# Altium PCB PCB1.PcbDoc
Units mil, origin at the board's own origin, x right, y up, seen from the top; angles counter-clockwise.
Board outline 7358.27 x 3470.47 mil, 2 copper layers (Top Layer, Bottom Layer); 121 components, 86 nets, 348 pads, 0 vias.
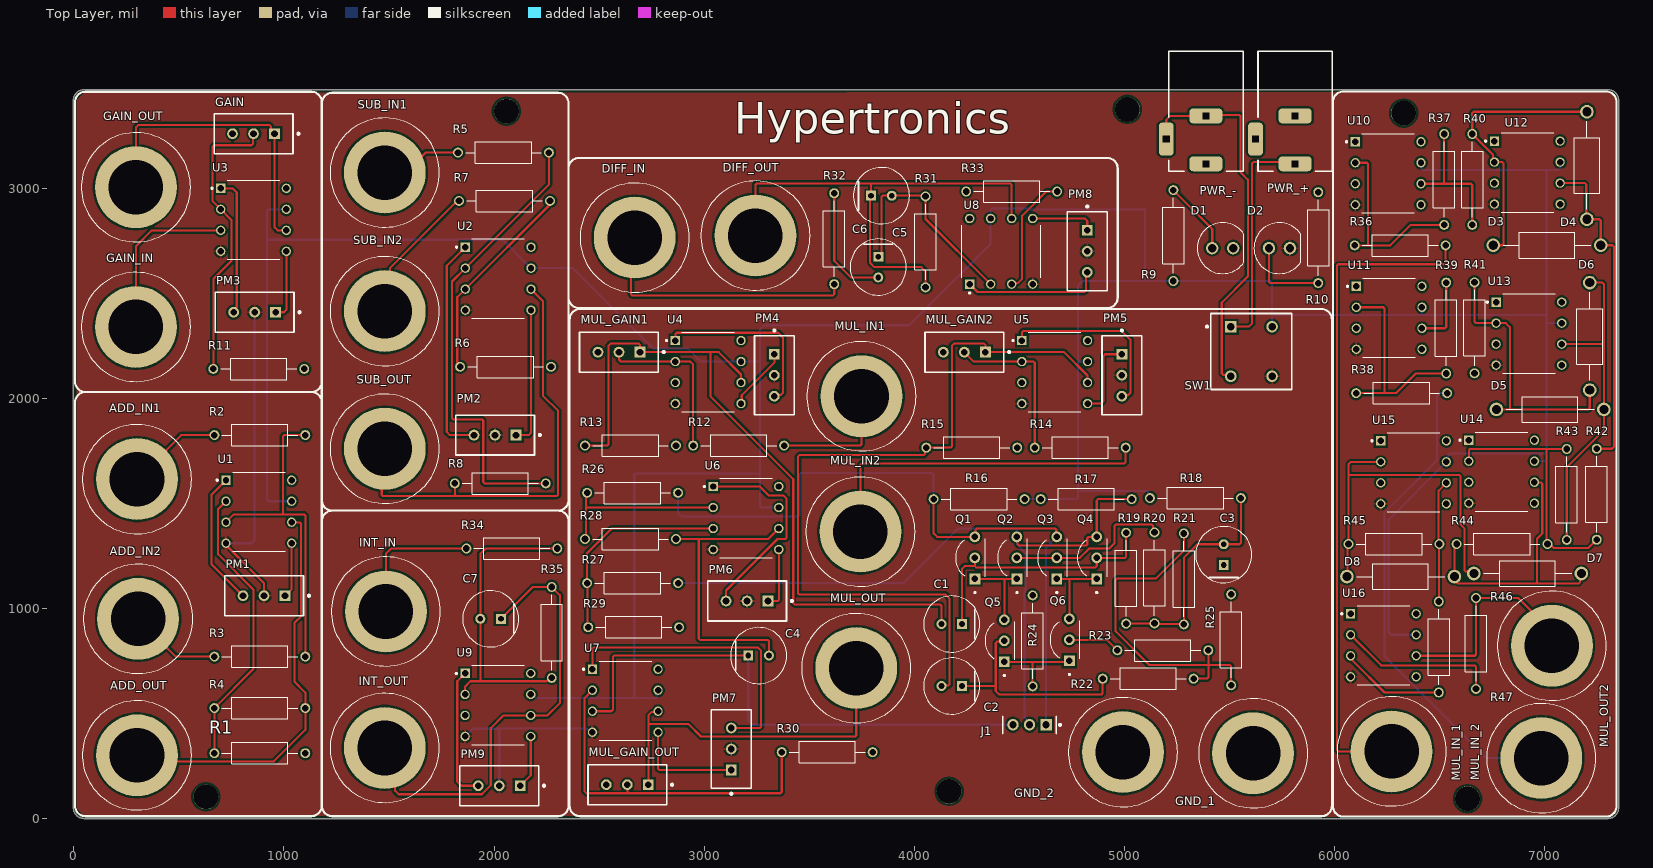
[diagram p0: Top Layer view]
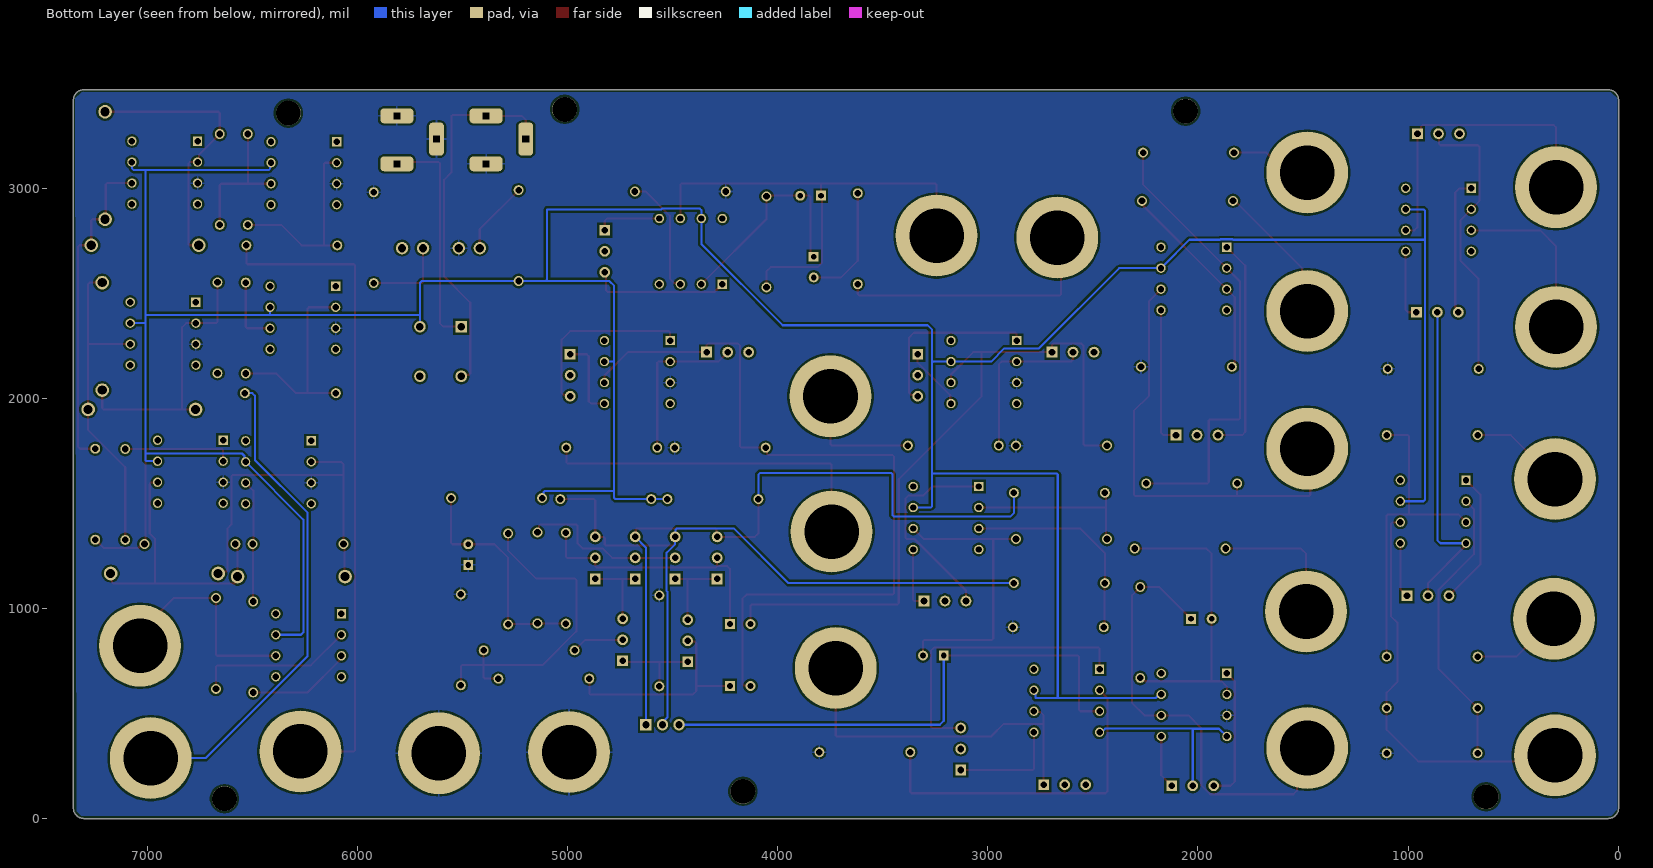
[diagram p1: Bottom Layer view, seen from below]
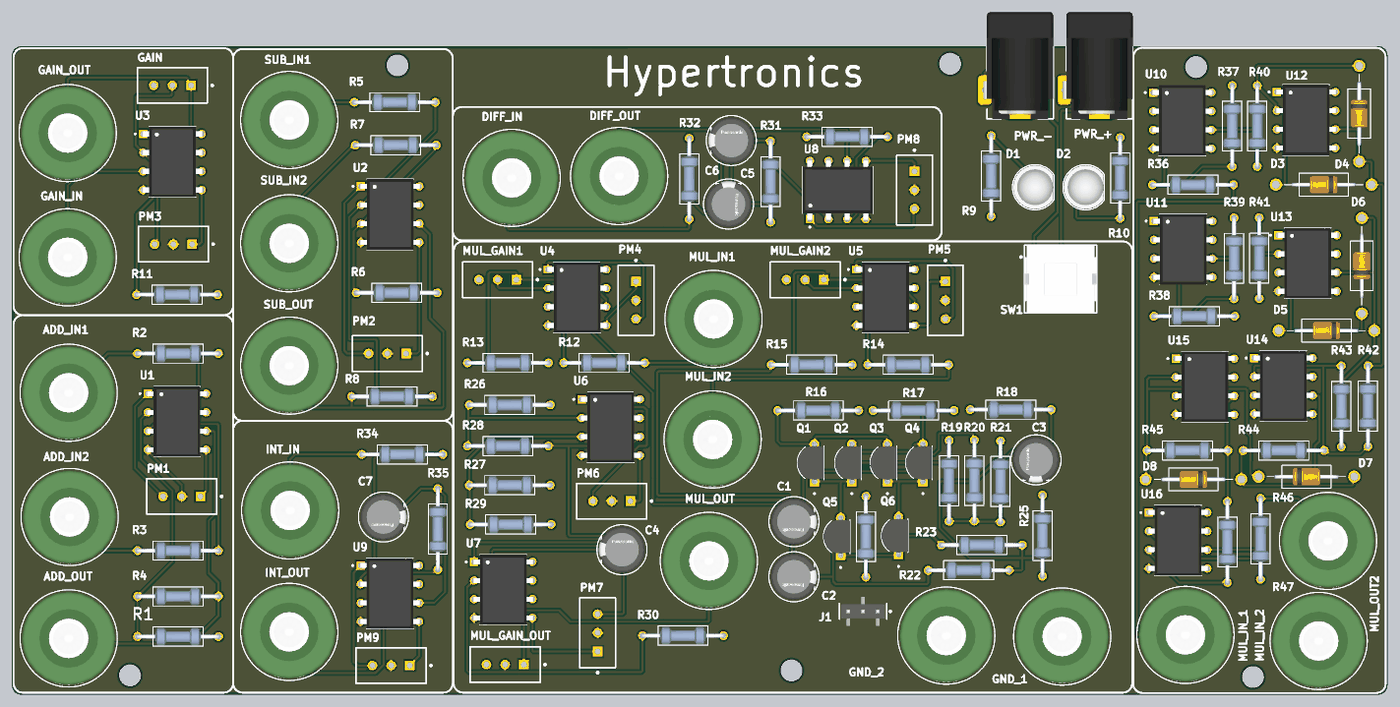
[diagram p2: 3D render of the assembled board from above, using the file's embedded part models]

## Layer stack, top to bottom
Top Solder: solder mask 0.4, Solder Resist, Dk 3.5
Top Layer: signal copper 1.4
Dielectric 1: dielectric 12.6, FR-4, Dk 4.8
Bottom Layer: signal copper 1.4
Bottom Solder: solder mask 0.4, Solder Resist, Dk 3.5

## Board outline
-2.95,49.02 -2.95,3419.49 cw(c47.05,3419.49) 47.05,3469.49 7305.32,3469.49 cw(c7305.32,3419.49) 7355.32,3419.49 7355.32,49.02 cw(c7305.32,49.02) 7305.32,-0.98 47.05,-0.98 cw(c47.05,49.02)

## Design rules (kind name [scope] priority, off if disabled: settings)
Clearance [All] p1: gap=10 ignorepadtopadclearanceinfootprint=FALSE ismatrix=TRUE
HoleSize MaxMinHoleSize_1 [All] p1: absolutevalues=TRUE maxlimit=275.59 minlimit=1 maxpercent=80.000 minpercent=20.000
HoleSize [All] p2: absolutevalues=TRUE maxlimit=100 minlimit=1 maxpercent=80.000 minpercent=20.000
PolygonConnect [All] p1: connectstyle=Relief reliefconductorwidth=10 reliefentries=4 polygonreliefangle="90 Angle" airgapwidth=10
RoutingVias [All] p1: holewidth=28 width=50 viastyle="Through Hole" minholewidth=28 minwidth=50 maxholewidth=28 maxwidth=50
SolderMaskExpansion [All] p1: expansion=4 istentingtop=FALSE
SupplyNets "Schematic Supply Nets_4" [InNet('Vin_10')] p1: voltage=0.000
SupplyNets "Schematic Supply Nets_3" [InNet('Vin_11')] p2: voltage=0.000
SupplyNets "Schematic Supply Nets_2" [InNet('+12')] p3: voltage=0.000
SupplyNets "Schematic Supply Nets_1" [InNet('GND')] p4: voltage=0.000
SupplyNets "Schematic Supply Nets" [InNet('-12')] p5: voltage=0.000
Width [All] p1: maxlimit=10 minlimit=10 preferedwidth=10
29 further rules are at their usual default settings.

## Classes and differential pairs
component class Multiply_2: D3 D4 D5 D6 D7 D8 MUL_IN_1 MUL_IN_2 MUL_OUT2 R36 R37 R38 R39 R40 R41 R42 R43 R44 R45 R46 R47 U10 U11 U12 U13 U14 U15 U16
component class Substractor: GND_2 PM2 R5 R6 R7 R8 SUB_IN1 SUB_IN2 SUB_OUT U2
component class Power_IN: D1 D2 PWR_+ PWR_- R9 R10 SW1
component class multiplier: C1 C2 C3 C4 J1 MUL_GAIN1 MUL_GAIN2 MUL_GAIN_OUT MUL_IN1 MUL_IN2 MUL_OUT PM4 PM5 PM6 PM7 Q1 Q2 Q3 Q4 Q5 Q6 R12 R13 R14 R15 R16 R17 R18 R19 R20 R21 R22 R23 R24 R25 R26 R27 R28 R29 R30 U4 U5 U6 U7
component class Integrater: C7 INT_IN INT_OUT PM9 R34 R35 U9
component class Gain: GAIN GAIN_IN GAIN_OUT PM3 R11 U3
component class Differentiator: C5 C6 DIFF_IN DIFF_OUT PM8 R31 R32 R33 U8
component class Adder: ADD_IN1 ADD_IN2 ADD_OUT GND_1 PM1 R1 R2 R3 R4 U1

## Components (designator, comment, footprint, x,y, rotation, side; value= is the part's Value field where it differs from the comment)
ADD_IN1 "1581-5" FP-1581-5-MFG 300,1615 r0 top
ADD_IN2 "1581-5" FP-1581-5-MFG 305,950 r0 top
ADD_OUT "1581-5" FP-1581-5-MFG 300,300 r0 top
C1 "1uF" FP-ECA-2CHG010I-MFG 4180,925 r180 top
C2 "1uF" FP-ECA-2CHG010I-MFG 4180,630 r180 top
C3 "1uF" FP-ECA-2CHG010I-MFG 5475,1255.79 r90 top
C4 "1uF" FP-ECA-2CHG010I-MFG 3260,775 r0 top
C5 "1uF" FP-ECA-2CHG010I-MFG 3844.98,2964.98 r0 top
C6 "1uF" FP-ECA-2CHG010I-MFG 3830,2625 r270 top
C7 "1uF" FP-ECA-2CHG010I-MFG 1984.21,950 r180 top
D1 "151051BS04000" WL-TMRC_D5.9H8.7 5470,2715 r0 top
D2 "151051BS04000" WL-TMRC_D5.9H8.7 5739.99,2714.99 r0 top
D3 "IN4148" PCBComponent_1#1 6984.25,2823.82 r180 top
D4 "IN4148" PCBComponent_1#1 7109.25,3078.74 r270 top
D5 "IN4148" PCBComponent_1#1 6999.02,2042.32 r180 top
D6 "IN4148" PCBComponent_1#1 7312.99,2324.8 r90 top
D7 "IN4148" PCBComponent_1#1 6951.77,1070.87 r0 top
D8 "IN4148" PCBComponent_1#1 6287.4,1246.06 r180 top
DIFF_IN "1581-5" FP-1581-5-MFG 2670,2765 r0 top
DIFF_OUT "1581-5" FP-1581-5-MFG 3245,2775 r0 top
GAIN "100K" PCBComponent_1#2 1105,3310 r180 top
GAIN_IN "1581-5" FP-1581-5-MFG 295,2340 r0 top
GAIN_OUT "1581-5" FP-1581-5-MFG 295,3005 r0 top
GND_1 "GND" FP-1581-5-MFG 5615,310 r0 top
GND_2 "GND" FP-1581-5-MFG 4995,315 r0 top
INT_IN "1581-5" FP-1581-5-MFG 1485,985 r0 top
INT_OUT "1581-5" FP-1581-5-MFG 1480,335 r0 top
J1 "TMM-103-03-T-S" FP-TMM-103-03-T-S-MFG 4550,445 r180 top
MUL_GAIN1 "10K" PCBComponent_1#2 2845,2270 r180 top
MUL_GAIN2 "10K" PCBComponent_1#2 4490,2270 r180 top
MUL_GAIN_OUT "100K" PCBComponent_1#2 2885,210 r180 top
MUL_IN1 "1581-5" FP-1581-5-MFG 3750,2010 r0 top
MUL_IN2 "1581-5" FP-1581-5-MFG 3745,1365 r0 top
MUL_IN_1 "1581-5" FP-1581-5-MFG 6274.61,318.9 r0 top
MUL_IN_2 "1581-5" FP-1581-5-MFG 6987.2,286.42 r0 top
MUL_OUT "1581-5" FP-1581-5-MFG 3725,715 r0 top
MUL_OUT2 "1581-5" FP-1581-5-MFG 7037.4,821.85 r0 top
PM1 "10K" PCBComponent_1#2 1155,1110 r180 top
PM2 "10K" PCBComponent_1#2 2255,1875 r180 top
PM3 "10K" PCBComponent_1#2 1110,2460 r180 top
PM4 "10K" PCBComponent_1#2 3285,2360 r270 top
PM5 "10K" PCBComponent_1#2 4940,2360 r270 top
PM6 "10K" PCBComponent_1#2 3455,1085 r180 top
PM7 "10K" PCBComponent_1#2 3180,80 r90 top
PM8 "10K" PCBComponent_1#2 4775,2950 r270 top
PM9 "10K" PCBComponent_1#2 2275,205 r180 top
PWR_+ "694106301002" PCBComponent_1#3 6101.46,3418.5 r180 top
PWR_- "694106301002" PCBComponent_1#3 5676.46,3418.5 r180 top
Q1 "2N3904" TO92254P460H750-3 4290,1240 r90 top
Q2 "2N3904" TO92254P460H750-3 4490,1240 r90 top
Q3 "2N3904" TO92254P460H750-3 4680,1240 r90 top
Q4 "2N3904" TO92254P460H750-3 4870,1240 r90 top
Q5 "2N3904" TO92254P460H750-3 4430,845 r90 top
Q6 "2N3904" TO92254P460H750-3 4740,850 r90 top
R1 "1K" RESAD1100W55L680D260 885,310 r180 top
R2 "1K" RESAD1100W55L680D260 885,1825 r0 top
R3 "1K" RESAD1100W55L680D260 885,770 r0 top
R4 "1K" RESAD1100W55L680D260 885,525 r0 top
R5 "1K" RESAD1100W55L680D260 2045,3170 r0 top
R6 "1K" RESAD1100W55L680D260 2055,2150 r180 top
R7 "1K" RESAD1100W55L680D260 2050,2940 r0 top
R8 "1K" RESAD1100W55L680D260 2030,1595 r180 top
R9 "1K" RESAD1100W55L680D260 5235,2775 r90 top
R10 "1K" RESAD1100W55L680D260 5925,2765 r270 top
R11 "1K" RESAD1100W55L680D260 880,2140 r180 top
R12 "10K" RESAD1100W55L680D260 3165,1775 r180 top
R13 "1K" RESAD1100W55L680D260 2650,1775 r180 top
R14 "10K" RESAD1100W55L680D260 4791.54,1765 r180 top
R15 "1K" RESAD1100W55L680D260 4275,1765 r180 top
R16 "270Ω" RESAD1100W55L680D260 4310,1520 r0 top
R17 "270Ω" RESAD1100W55L680D260 4820,1520 r180 top
R18 "4.7K" RESAD1100W55L680D260 5340,1525 r180 top
R19 "2.2K" RESAD1100W55L680D260 5010,1143.46 r270 top
R20 "2.2K" RESAD1100W55L680D260 5145,1145 r270 top
R21 "3.3K" RESAD1100W55L680D260 5285,1140 r270 top
R22 "2.2K" RESAD1100W55L680D260 5115,665 r0 top
R23 "2.2K" RESAD1100W55L680D260 5185,800 r0 top
R24 "270Ω" RESAD1100W55L680D260 4565,845 r270 top
R25 "2.2K" RESAD1100W55L680D260 5510,850 r270 top
R26 "1K" RESAD1100W55L680D260 2660,1550 r180 top
R27 "1K" RESAD1100W55L680D260 2660,1120 r180 top
R28 "1K" RESAD1100W55L680D260 2650,1330 r0 top
R29 "1K" RESAD1100W55L680D260 2665,910 r180 top
R30 "1K" RESAD1100W55L680D260 3586.54,315 r180 top
R31 "1K" RESAD1100W55L680D260 4055,2745 r270 top
R32 "1K" RESAD1100W55L680D260 3620,2760 r90 top
R33 "1K" RESAD1100W55L680D260 4465,2985 r0 top
R34 "1K" RESAD1100W55L680D260 2085,1285 r0 top
R35 "1K" RESAD1100W55L680D260 2275,885 r90 top
R36 "100K" RESAD1100W55L680D260 6314.96,2728.35 r180 top
R37 "1K" RESAD1100W55L680D260 6524.61,3042.32 r90 top
R38 "100K" RESAD1100W55L680D260 6321.85,2024.61 r180 top
R39 "1K" RESAD1100W55L680D260 6534.45,2334.65 r90 top
R40 "10K" RESAD1100W55L680D260 6658.46,3042.32 r90 top
R41 "10K" RESAD1100W55L680D260 6669.29,2335.63 r90 top
R42 "1K" RESAD1100W55L680D260 7250.98,1543.31 r270 top
R43 "1K" RESAD1100W55L680D260 7108.27,1542.32 r90 top
R44 "1K" RESAD1100W55L680D260 6800.2,1306.1 r180 top
R45 "1K" RESAD1100W55L680D260 6285.43,1306.1 r0 top
R46 "1K" RESAD1100W55L680D260 6499.02,815.95 r90 top
R47 "2.55K" RESAD1100W55L680D260 6676.18,832.68 r90 top
SUB_IN1 "1581-5" FP-1581-5-MFG 1480,3075 r0 top
SUB_IN2 "1581-5" FP-1581-5-MFG 1480,2415 r0 top
SUB_OUT "1581-5" FP-1581-5-MFG 1480,1760 r0 top
SW1 "PVA1EEH11.2NV2" FP-PVA1EEH11_2NV2-MFG 5606.57,2223.11 r0 top
U1 "LM741CN/NOPB" DIP794W45P254L959H508Q8 880,1460 r0 top
U2 "LM741CN/NOPB" DIP794W45P254L959H508Q8 2020,2570 r0 top
U3 "LM741CN/NOPB" DIP794W45P254L959H508Q8 855,2850 r0 top
U4 "LM741CN/NOPB" DIP794W45P254L959H508Q8 3020,2125 r0 top
U5 "LM741CN/NOPB" DIP794W45P254L959H508Q8 4670,2125 r0 top
U6 "LM741CN/NOPB" DIP794W45P254L959H508Q8 3200,1430 r0 top
U7 "LM741CN/NOPB" DIP794W45P254L959H508Q8 2625,560 r0 top
U8 "LM741CN/NOPB" DIP794W45P254L959H508Q8 4415,2700 r90 top
U9 "LM741CN/NOPB" DIP794W45P254L959H508Q8 2018.7,540 r0 top
U10 "LM741CN/NOPB" DIP794W45P254L959H508Q8 6257.87,3071.85 r0 top
U11 "LM741CN/NOPB" DIP794W45P254L959H508Q8 6262.6,2383.46 r0 top
U12 "LM741CN/NOPB" DIP794W45P254L959H508Q8 6920.28,3074.8 r0 top
U13 "LM741CN/NOPB" DIP794W45P254L959H508Q8 6928.15,2308.07 r0 top
U14 "LM741CN/NOPB" DIP794W45P254L959H508Q8 6798.23,1650.59 r0 top
U15 "LM741CN/NOPB" DIP794W45P254L959H508Q8 6378.94,1647.64 r0 top
U16 "LM741CN/NOPB" DIP794W45P254L959H508Q8 6235.04,824.02 r0 top

## Footprints (in the part's own frame and the unit in brackets; to place one, negate y for a bottom-side part, rotate by r counter-clockwise, add the part's x,y. Pads: shape width x height; smd on the part's side, far side on the other; paste and mask are expansions set on the pad)
DIP794W45P254L959H508Q8 [mm]
  rect 1.13x1.13 / inner round 1.13 / far side rect 1.13x1.13 hole 0.78: 1(-3.97,3.81)
  round 1.13 hole 0.78: 2(-3.97,1.27) 3(-3.97,-1.27) 4(-3.97,-3.81) 5(3.97,-3.81) 6(3.97,-1.27) 7(3.97,1.27) 8(3.97,3.81)
  silkscreen extent -5.13,-4.79 3.17,4.79, body extent -4.15,-4.79 4.15,4.79, height 5.08
FP-1581-5-MFG [mm]
  round 9.9 hole 6.6 paste-2539.97 mask+0: 1(0,0)
  silkscreen extent -6.6,-6.6 6.6,6.6, body extent -6.7,-6.7 6.7,6.7, height 0.25
FP-ECA-2CHG010I-MFG [mm]
  rect 1.2x1.2 hole 0.7 paste-2539.97 mask+0: 1(-1.25,0)
  round 1.2 hole 0.7 paste-2539.97 mask+0: 2(1.25,0)
  silkscreen extent -3.4,-3.4 3.4,3.4, body extent -3.5,-3.5 3.5,3.5, height 0.25
FP-PVA1EEH11_2NV2-MFG [mm]
  rect 1.4x1.4 hole 0.9 paste-2539.97 mask+0: 1(-2.5,3)
  round 1.4 hole 0.9 paste-2539.97 mask+0: 1'(-2.5,-3) 2(2.5,3) 2'(2.5,-3)
  silkscreen extent -5.5,-4.6 4.9,4.6, body extent -5,-4.7 5,4.7, height 0.25
FP-TMM-103-03-T-S-MFG [mm]
  rect 1.39x1.39 hole 0.89 paste-2539.97 mask+0: 1(-2,-0.02)
  round 1.39 hole 0.89 paste-2539.97 mask+0: 2(0,-0.02) 3(2,-0.02)
  silkscreen extent -3.83,-1.05 3.22,1.05, body extent -3.1,-2.07 3.1,2.07, height 0.25
PCBComponent_1#1 [mm]
  round 1.65 hole 1.1: 1(-7.262,2.413) 2(5.738,2.413)
  silkscreen extent -6.08,0.86 4.56,3.96, body extent -5.16,1.27 3.64,3.56, height 2.29
PCBComponent_1#2 [mm]
  rect 1.3x1.3 hole 0.8: 1(3.81,1.27)
  round 1.3 hole 0.8: 2(6.35,1.27) 3(8.89,1.27)
  silkscreen extent 0.81,-1.14 11.11,3.69
PCBComponent_1#3 [mm] "DC Power Jack Right Angled(6.4)"
  rrect50% 4x1.8 hole 0.8 square: 1(7.276,7.667) 2(7.276,1.867)
  rrect50% 1.8x4 hole 0.8 square: 3(12.076,4.667)
  silkscreen extent 2.78,-5.93 11.78,8.57, body extent 2.78,-5.93 12.28,8.57, height 10.75
RESAD1100W55L680D260 [mm]
  round 1.2 hole 0.8: 1(-5.5,0) 2(5.5,0)
  silkscreen extent -4.58,-1.3 4.58,1.3, body extent -5.77,-1.2 5.77,1.2, height 2.4
TO92254P460H750-3 [mm]
  rect 1.298x1.298 / inner round 1.298 / far side rect 1.298x1.298 hole 0.79: 1(-2.54,0)
  round 1.298 hole 0.79: 2(0,0) 3(2.54,0)
  silkscreen extent -4.29,-1.27 2.3,2.33, body extent -2.74,-1.27 2.74,2.33, height 8.09
WL-TMRC_D5.9H8.7 [mm] "THT Mono-color Round Color LED, 2-leads"
  round 1.5 hole 1: 1(-1.27,0) 2(1.27,0)
  silkscreen extent -3.07,-3.07 2.58,3.08, body extent -2.95,-2.95 2.45,2.95, height 9.2

## Part data
ADD_IN1 ADD_IN2 ADD_OUT DIFF_IN DIFF_OUT GAIN_IN GAIN_OUT GND_1 GND_2 INT_IN INT_OUT MUL_IN1 MUL_IN2 MUL_IN_1 MUL_IN_2 MUL_OUT MUL_OUT2 SUB_IN1 SUB_IN2 SUB_OUT: library part CMP-73906-000011-1, "CONN BANANA JACK TURRET GREEN", Color=Green, Current Rating=15A, Package Quantity=1, Voltage Rating=2.5kV, Voltage Rating (AC)=30V, Voltage Rating (DC)=60V, Body Material=PC, Contact Material=Brass, Contact Plating=Tin, Diameter=4.22mm, Gender=Female, Height=0.25inch, Housing Color=Green, Housing Material=Polycarbonate, Insulation="Mating End Insulated", Insulation Material=Polycarbonate, Lead Free="Lead Free", Length=1.22inch, Max Current Rating=15A, Mount=Panel, Number of Contacts=1, Number of Ports=1, Number of Positions=1, Orientation=Straight, Packaging=Bag, REACH SVHC="No SVHC", RoHS Compliant=Yes, Series=1581, Termination=Turret, Weight=0.126lb, Width=4inch
C1 C2 C3 C4 C5 C6 C7: library part CMP-05427-002176-1, "CAP ALUM 1UF 20% 160V RADIAL", Case/Package=Radial, Max Operating Temperature=105°C, Min Operating Temperature=-25°C, Package Quantity=2000, Ripple Current=17mA, Tolerance=20%, Voltage Rating=160V, Capacitance=1uF, Diameter=6.3mm, Height=11.2mm, Height - Seated (Max)=0.48inch, Lead Pitch=2.5mm, Lead/Base Style=Straight, Length=11.2mm, Life (Hours)=2000Hour, Mount="Through Hole", Packaging="Ammo Pack", Radiation Hardening=No, RoHS Compliant=Yes, Series=NHG, Termination=Radial, Voltage Rating (DC)=160V
D1 D2: library part CMP-1488-00009-2, Case/Package=Radial, Color=Blue, Forward Current=100mA, Forward Voltage=3.2V, Max Operating Temperature=85°C, Max Reverse Voltage (DC)=5V, Min Operating Temperature=-40°C, Test Current=20mA, Dominant Wavelength=470nm, Height=8.6mm, Length=5mm, Lens Size=5mm, Lens Style="Circular, Diffused, Round", Luminous Intensity=500mcd, Mount="Through Hole", NexarPartId=29717812, Packaging=Bulk, Peak Wavelength=465nm, REACH SVHC=Unknown, RoHS=Compliant, Viewing Angle=40°, Wavelength=470nm, Width=5mm
D3 D4 D5 D6 D7 D8 GAIN MUL_GAIN1 MUL_GAIN2 MUL_GAIN_OUT: library part Component_1
J1: library part CMP-02766-001695-1, "CONN HEADER VERT 3POS 2MM", Color=Black, Max Current Rating=3.9A, Max Operating Temperature=105°C, Max Voltage Rating (AC)=500V, Min Operating Temperature=-55°C, Package Quantity=1, Connector Type=Header, Contact Finish - Mating=TIN, Contact Material=Bronze, Contact Mating Length=0.157inch, Contact Plating=Tin, Contact Shape=Square, Contact Type="Male Pin", Depth=1.97mm, Fastening Type=Pull, Gender=Male, Housing Color=Black, Housing Material=Polymer, Insulation Color=Black, Insulation Material=Polymer, Lead Free="Lead Free", Length=6mm, Mount="Through Hole", Number of Contacts=3, Number of Positions=3, Number of Rows=1, Orientation=Straight, Packaging=Bulk, Pitch=2mm, Radiation Hardening=No, REACH SVHC="No SVHC", RoHS Compliant=Yes, Series=TMM, Termination=Solder
PM1 PM2 PM3 PM4 PM5 PM6 PM7 PM8 PM9: library part CMP-1747-00004-1, "Square Trimpot(R) Trimming Potentiometer, 10 KOhm, 300 V, -55 to 125 degC, 3-Pin THD, RoHS, Tube", Case Code (Imperial)=0612, Case Code (Metric)=1632, Case/Package=1206, Max Operating Temperature=125degC, Min Operating Temperature=-25degC, Package Quantity=5000, Power Rating="1 W", Resistance="50 mohm", Tolerance=1%, Voltage Rating="220 mV", ComponentLink1Description="Manufacturer URL", ComponentLink1URL=http://www.bourns.com/, ComponentLink2Description=Datasheet, ComponentLink2URL=http://www.bourns.com/docs/Product-Datasheets/3362.pdf, DatasheetVersion=May-16, Height="0.6 mm", Length="3.2 mm", Mount="Surface Mount", PackageDescription="3-Pin Through Hole Device, Body 6.6 x 6.99 mm, Pitch 2.54 mm", PackageReference=3326P, Packaging="Tape and Reel", Pins=2, REACH SVHC="No SVHC", RoHSCompliant=True, Width="1.6 mm"
PWR_+ PWR_-: library part Component_2
Q1 Q2 Q3 Q4 Q5 Q6: "BJT, TO-92, 40V, 200mA, NPN, 0.625W, 150Â°C", Package="TO-92 Diotec", Check_prices=https://www.snapeda.com/parts/2N3904/Diotec/view-part/?ref=eda, MF="Diotec Semiconductor", MP=2N3904, SnapEDA_Link=https://www.snapeda.com/parts/2N3904/Diotec/view-part/?ref=snap
R1 R2 R3 R4 R5 R6 R7 R8 R9 R10 R11 R12 R13 R14 R15 R16 R17 R18 R19 R20 R21 R22 R23 R24 R25 R26 R27 R28 R29 R30 R31 R32 R33 R34 R35 R36 R37 R38 R39 R40 R41 R42 R43 R44 R45 R46 R47: library part MFR-25FBF52-1K, "1.07 kOhms Â±1% 0.25W, 1/4W Through Hole Resistor Axial - Metal Film", Package="RADIAL-2 YAGEO", Check_prices=https://www.snapeda.com/parts/MFR-25FBF52-1K/Yageo/view-part/?ref=eda, MF=Yageo, MP=MFR-25FBF52-1K, SnapEDA_Link=https://www.snapeda.com/parts/MFR-25FBF52-1K/Yageo/view-part/?ref=snap
SW1: library part CMP-10035-000009-1, "SWITCH PUSH DPST 0.1A 32V", Current Rating=100mA, Max Operating Temperature=85°C, Min Operating Temperature=-40°C, Voltage Rating (DC)=32V, Electrical Life=100000Cycles, Mount="Through Hole", Packaging=Bulk, RoHS Compliant=Yes, Series=PVA, Switch Function=Off-On, Termination="PC Pin", Throw Configuration=DPST
U1 U2 U3 U4 U5 U6 U7 U8 U9 U10 U11 U12 U13 U14 U15 U16: "Single, 44-V, 1-MHz operational amplifier", Package="PDIP-8 Texas", Check_prices=https://www.snapeda.com/parts/LM741CN/NOPB/Texas+Instruments/view-part/?ref=eda, MF="Texas Instruments", MP=LM741CN/NOPB, SnapEDA_Link=https://www.snapeda.com/parts/LM741CN/NOPB/Texas+Instruments/view-part/?ref=snap

## Free pads (board coordinates)
  round 118.11 hole 118.11 unplated: 4(627.95,102.36) 4(2059.06,3367.13) 4(4166.93,128.54) 4(5015.75,3375.98) 4(6331.69,3358.27) 4(6635.83,93.5)

## Nets (pads, with @x,y where several pads share a name; then routed paths per layer and width w, separated by ;. In a path a pad name is that pad's centre, name@x,y a point inside that pad or via, vN(x,y) a via of type N, cw(c..) or ccw(c..) an arc to the next point about the centre after c; other vN are vias at no path point)
+12: R9.1 R16.2 R17.2 R18.2 SW1.2 U1.7 U2.7 U3.7 U4.7 U5.7 U6.7 U7.7 U8.7 U9.7 U10.7 U11.7 U12.7 U13.7 U14.7 U15.7 U16.7 | length 17928.5
  Bottom Layer w10: 920,2755 1833,2755 1835.24,2757.24 1892.16,2757.24 1894.4,2755 2041.3,2755 2166.3,2630 2185,2630 2176.3,2621.3 U2.7 2375,2620 2757.24,2237.76 2922.24,2237.76 2985,2175 U4.7 3260.44,2175 3266.3,2169.14 ; U3.7 925.27,2900 919.41,2894.14 919.41,1515.86 925.27,1510 U1.7 ; U9.7 2184.33,590 2201.58,572.76 2667.66,572.76 ; U7.7@2774.16,610 2774.16,572.76 2667.66,572.76 ; 3265,1642.66 2673.52,1642.66 2667.66,1636.81 2667.66,572.76 ; U6.7 3272.16,1480 3266.3,1485.86 3266.3,2169.14 ; R16.2 R17.2 4774.14,1520 4780,1525.86 4780,1555 ; 4780,2177.93 4780,1555 ; U5.7 4785.86,2175 4780,2180.86 4780,2535.32 4803.14,2558.46 5105,2558.46 ; R18.2 5116.61,1531.86 5116.61,1552.76 5110.75,1558.62 4783.62,1558.62 4780,1555 ; SW1.2 5705,2396.65 ; U16.7 6271.65,874.02 6259.84,885.83 6259.84,1422.24 U15.7 ; U10.7 6418.41,3117.61 6418.41,3093.42 6424.27,3087.56 7012.8,3087.56 ; U11.7 6418.9,2396.65 ; U15.7@6540.25,1702.65 6540.25,1725.29 6552.17,1737.2 6625.87,1737.2 6626.5,1737.83 6657.36,1737.83 6657.99,1737.2 7012.8,1737.2 ; U14.7 7006.94,1700.59 7012.8,1706.45 7012.8,1737.2 ; U12.7 7075.29,3123.52 7075.29,3093.42 7069.43,3087.56 7012.8,3087.56 ; U13.7 7015.94,2358.07 7012.8,2361.22 ; 3266.3,2169.14 3266.3,2326.3 3287.76,2347.76 3977.76,2347.76 4365,2735 U8.7 4365,2895.9 4372.12,2903.01 4459.04,2903.01 4553.01,2903.01 4556.03,2900 5100,2900 5100,2563.46 5105,2558.46 ; 5105,2558.46 R9.1 5696.54,2558.46 5705,2550 5705,2396.65 ; 5705,2396.65 6090.44,2396.65 6090.87,2396.22 6121.73,2396.22 6122.16,2396.65 6418.9,2396.65 ; 6418.9,2396.65 7012.8,2396.65 ; 7012.8,1737.2 7012.8,2361.22 ; 7012.8,2361.22 7012.8,2396.65 ; 7012.8,2396.65 7012.8,3087.56
-12: D2.2 PM1.2 PM2.2 PM3.2 PM4.2 PM5.2 PM6.2 PM7.2 PM8.2 PM9.2 SW1.2' U1.4 U2.4 U3.4 U4.4 U5.4 U6.4 U7.4 U8.4 U9.4 U10.4 U11.4 U12.4 U13.4 U14.4 U15.4 U16.4 | length 2628.6
  Top Layer w10: U1.4 723.7,1301.3 905,1120 PM1.2
  Bottom Layer w10: U1.4 845,1310 860,1325 PM3.2 ; PM9.2 2025,425 1897.4,425 U9.4 1899.65,427.24 2025,427.24 2040,427.24 2442.12,427.24 2459.37,410 U7.4
GND: C3.1 D1.2 GND_1.1 GND_2.1 PWR_+.2 PWR_+.3 PWR_-.1 R1.1 R6.1 R10.1 R11.1 R13.1 R15.1 R24.1 R25.1 R29.1 R30.1 R33.1 U4.3 U5.3 U9.3 U10.3 U11.3 U12.3 U13.3 U14.3 U15.3 | length 4.6
  Bottom Layer w10: R1.1 R1.1@1106.16,310
NetC1_1: C1.1 Q1.2 Q4.2 R19.1 | length 1249.5
  Top Layer w10: C1.1 4229.21,1189.21 4240.86,1200.86 4290,1200.86 ; Q1.2 4290,1200.86 ; R19.1 5010,1245.86 5004.14,1240 Q4.2 4870,1200.86 4864.14,1195 4295.86,1195 4290,1200.86
NetC1_2: C1.2 MUL_GAIN1.1 R13.2 U4.6 | length 3501.3
  Top Layer w10: R13.2 2539.14,1775 2545,1780.86 2545,2250 2555.59,2260.59 2689.14,2260.59 2695,2254.73 MUL_GAIN1.1 3030,2220 3035.86,2220 3070,2220 3176.3,2113.7 U4.6 U4.6@3175.01,2073.72 ; 3035.86,2220.86 3030,2215 3030,2010 3425,1615 3425,1024.55 3430.86,1018.69 4124.93,1018.69 4130.79,1012.83 C1.2
NetC2_1: C2.1 Q5.2 R22.1 | length 1021.3
  Top Layer w10: C2.1 4389.45,630 ; Q5.2 4426.33,841.33 4396.33,841.33 4389.45,834.45 4389.45,630 ; R22.1 4898.46,595.7 4892.61,589.84 4405.16,589.84 4389.45,605.55 4389.45,630
NetC2_2: C2.2 MUL_GAIN2.1 R15.2 U5.6 | length 3846.3
  Top Layer w10: C2.2 4132.64,631.86 4163.55,631.86 4169.41,637.71 4169.41,1045.59 4150,1065 3454.31,1065 3448.45,1070.86 3448.45,1723.83 3454.31,1729.68 4047.13,1729.68 4052.99,1735.54 4052.99,1759.52 R15.2 4174.73,1765 4180.59,1770.86 4180.59,2250.59 4190.59,2260.59 4334.14,2260.59 4340,2254.73 MUL_GAIN2.1 4715,2220 4826.3,2108.7 U5.6
NetC3_2: C3.2 R18.1 R19.2 R20.2 R21.2 | length 1109.3
  Top Layer w10: R19.2 5010.77,927.7 5144.23,927.7 R20.2 5147.5,925.96 5282.5,925.96 R21.2 5285,1240 5350,1305 5550.68,1305 5556.54,1310.86 R18.1
NetC4_2: C4.2 R28.2 U6.6 | length 1392.8
  Top Layer w10: R28.2 2975,1330 ; C4.2 3309.21,843.7 3303.35,849.55 2980.86,849.55 2975,855.41 2975,1330 ; U6.6 3306.3,1330 2975,1330
NetC5_2: C5.2 C6.1 R31.1 U8.2 | length 1049.8
  Top Layer w10: C6.1 3844.98,2689.19 3844.98,2959.12 3850.84,2964.98 C5.2 R31.1@4055,2964.98 ; R31.1 4055,2853.7 U8.2
NetC6_2: C6.2 R32.2 | length 564.3
  Top Layer w10: R32.2 3620,2655 3699.21,2575.79 C6.2
NetC7_2: C7.2 R34.2 R35.1 U9.2 | length 1452.1
  Top Layer w10: U9.2 1862.4,627.4 1887.76,652.76 1936.09,652.76 2250.52,652.76 2266.23,668.46 R35.1 ; 1934.94,652.76 1936.09,653.91 1936.09,948.91 C7.2 1935,1260 1960,1285 R34.2
NetD1_1: D1.1 R9.2 | length 353.2
  Top Layer w10: R9.2 5420.01,2806.53 D1.1
NetD2_1: D2.1 R10.2 | length 397.7
  Top Layer w10: D2.1 5690,2555 5696.54,2548.46 R10.2
NetD3_1: D3.1 D4.2 R42.1 U12.6 | length 1585
  Top Layer w10: U12.6 7195.21,3024.8 7201.06,3018.95 7201.06,2856.02 D4.2 7264.29,2852.83 7270.16,2846.97 D3.1 7326.54,2728.82 7332.4,2722.96 7332.4,1768.43 7323.82,1759.84 R42.1
NetD3_2: D3.2 D4.1 R40.2 U12.2 | length 1306.6
  Top Layer w10: D3.2 6801.23,2728.82 6807.09,2734.68 6807.09,3118.95 6801.23,3124.8 U12.2 6757.38,3131.4 6757.38,3159.95 R40.2 6658.46,3358.27 6664.84,3364.65 D4.1
NetD5_1: D5.1 D6.2 R43.1 U13.6 | length 1561.5
  Top Layer w10: U13.6 7284.92,2258.07 ; R43.1 7108.27,1671.75 7284.92,1848.4 D5.1 7284.92,2258.07 ; D6.2 7278.03,2550.71 7284.92,2543.82 7284.92,2258.07
NetD5_2: D5.2 D6.1 R41.2 U13.2 | length 1291.3
  Top Layer w10: R41.2 6669.29,2363.93 6675.15,2358.07 U13.2 6818.11,2358.07 6837.6,2338.58 6837.6,1947.32 ; D5.2 6824.33,1947.32 6837.6,1947.32 ; D6.1 7217.99,1953.23 7212.09,1947.32 6837.6,1947.32
NetD7_1: D7.1 D8.2 R45.1 U15.2 | length 1739.5
  Top Layer w10: D8.2@6053.62,1153.03 6064.14,1163.55 R45.1@6064.14,1306.1 ; R45.1 6068.9,1634.88 ; U15.2 6080.51,1697.64 6068.9,1686.02 6068.9,1634.88 ; D7.1 6656.44,1175.29 6626.92,1175.29 6621.06,1181.15 6621.06,1251.01 6622.28,1252.23 6622.28,1322.1 6621.06,1323.32 6621.06,1380.91 6603.01,1398.96 6603.01,1628.29 6596.42,1634.88 6068.9,1634.88
NetD7_2: D7.2 D8.1 R44.2 U14.6 | length 1360.3
  Top Layer w10: R44.2 6583.66,1296.02 6573.82,1286.18 6573.82,1151.61 6565.43,1143.23 6590.28,1118.39 6969.76,1118.39 ; U14.6 6956.1,1599.02 6985.63,1599.02 6991.77,1592.87 6991.77,1356.26 6966.81,1331.3 6966.81,1121.34 6969.76,1118.39 ; D7.2 7172.15,1160.34 7172.15,1124.24 7166.29,1118.39 6969.76,1118.39
NetGAIN_2: GAIN.2 R11.2 U3.2 | length 1378
  Top Layer w10: R11.2 663.46,2568.46 750,2655 750,2848.7 U3.2 660,2938.7 660,3199.14 665.86,3205 845.89,3205 851.45,3210.57 GAIN.2
NetMUL_GAIN1_2: MUL_GAIN1.2 R12.2 U4.2 | length 784.7
  Top Layer w10: MUL_GAIN1.2 2595,2185 2605,2175 2935,2175 2948.46,2161.54 R12.2
NetMUL_GAIN2_2: MUL_GAIN2.2 R14.2 U5.2 | length 760.2
  Top Layer w10: MUL_GAIN2.2 4285,2175 4569.14,2175 4575,2169.14 R14.2
NetMUL_GAIN_OUT_2: MUL_GAIN_OUT.2 R30.2 U7.2 | length 1670.8
  Top Layer w10: U7.2 2431.46,572.76 2431.46,128.54 2440.04,119.96 2441.12,119.53 2534.01,119.41 ; 2535.01,119.41 3364.14,119.41 3370,125.27 R30.2 ; 2632.64,120.41 2635,122.77 MUL_GAIN_OUT.2
NetPM1_1: PM1.1 U1.5 | length 263
  Top Layer w10: PM1.1 1036.3,1091.3 U1.5
NetPM1_3: PM1.3 U1.1 | length 640.6
  Top Layer w10: U1.1 655,1541.3 655,1210 PM1.3
NetPM2_1: PM2.1 U2.5 | length 659.7
  Top Layer w10: PM2.1 2165,1825 2176.3,1836.3 U2.5
NetPM2_3: PM2.3 U2.1 | length 1053
  Top Layer w10: U2.1 1775,2631.3 1775,1840 1790,1825 PM2.3
NetPM3_1: PM3.1 U3.5 | length 334.7
  Top Layer w10: PM3.1 1000,2410 1011.3,2421.3 U3.5
NetPM3_3: PM3.3 U3.1 | length 660.8
  Top Layer w10: U3.1 755,3000 775,2980 775,2436.14 760,2421.14 PM3.3
NetPM4_1: PM4.1 U4.5 | length 300.7
  Top Layer w10: U4.5 3179.84,1978.54 3179.84,2014.84 3335,2170 PM4.1
NetPM4_3: PM4.3 U4.1 | length 866
  Top Layer w10: U4.1 2863.7,2306.39 2869.56,2312.24 3352.76,2312.24 3375.59,2289.41 3375.59,2025.59 3366.2,2016.2 3341.2,2016.2 PM4.3
NetPM5_1: PM5.1 U5.5 | length 387
  Top Layer w10: U5.5 4890,1975 4901.15,1986.15 4901.15,2201.15 4910,2210 PM5.1
NetPM5_3: PM5.3 U5.1 | length 875.9
  Top Layer w10: U5.1 4513.7,2313.7 4520,2320 4990,2320 5030.59,2279.41 5030.59,2025.59 5021.2,2016.2 4996.2,2016.2 PM5.3
NetPM6_1: PM6.1 U6.5 | length 292.9
  Top Layer w10: PM6.1 3350.44,1035 3356.3,1040.86 U6.5
NetPM6_3: PM6.3 U6.1 | length 1002.1
  Top Layer w10: U6.1 3265,1580 3307.29,1537.71 3377.29,1537.71 3393.54,1521.46 3393.54,1335.86 3387.69,1330 3350,1330 3105,1085 PM6.3
NetPM7_1: PM7.1 U7.5 | length 525.3
  Top Layer w10: U7.5 2781.3,235.86 2787.16,230 PM7.1
NetPM7_3: PM7.3 U7.1 | length 1414.9
  Top Layer w10: U7.1 2468.7,807.76 2474.56,813.62 3256.73,813.62 3270.83,799.52 3270.83,791.24 3270.59,791 3270.59,759 3270.59,435.86 3264.73,430 PM7.3
NetPM8_1: PM8.1 U8.5 | length 309.7
  Top Layer w10: U8.5 4813.7,2856.3 4825,2845 PM8.1
NetPM8_3: PM8.3 U8.1 | length 661
  Top Layer w10: U8.1 4302.24,2506.46 4811.46,2506.46 4818.8,2513.8 4818.8,2593.8 PM8.3
NetPM9_1: PM9.1 U9.5 | length 255.7
  Top Layer w10: PM9.1 2175,205 U9.5
NetPM9_3: PM9.3 U9.1 | length 638.6
  Top Layer w10: U9.1 1825.16,652.76 1825.16,174.84 1845,155 PM9.3
NetPWR_+_1: PWR_+.1 SW1.1 | length 1082.1
  Top Layer w10: SW1.1 5594.14,2341.22 5610,2357.08 5610,3119.14 5615.86,3125 5805,3125 PWR_+.1@5815,3115
NetPWR_-_2: PWR_-.2 PWR_-.3 SW1.1' | length 1796.9
  Top Layer w10: PWR_-.3 5201.02,3326.02 5220,3345 PWR_-.2 5395,3350 5549.14,3350 5555,3344.14 5555,3076.66 5590,3041.66 5590,2580 5465.59,2455.59 5465.59,2119.41 5473.98,2111.02 5502.13,2111.02 SW1.1'
NetQ1_1: Q1.1 Q2.1 Q5.3 | length 406.7
  Top Layer w10: Q1.1 4430,1140 ; Q5.3@4430,933.29 4430,1140 ; Q2.1 4430,1140
NetQ2_2: Q2.2 Q3.2 R20.1 | length 798.7
  Top Layer w10: Q2.2 Q3.2 4790,1240 4835,1285 4930,1285 4955,1310 4955,1392.76 4960.86,1398.62 5132.02,1398.62 5137.87,1392.76 5137.87,1368.66 R20.1
NetQ3_1: Q3.1 Q4.1 Q6.3 | length 458.3
  Top Layer w10: Q6.3@4735,926.65 Q6.3@4735,950 ; Q6.3 4740,1140 ; Q4.1 4740,1140 ; 4735,1140 Q3.1 4685,1140 4735,1140 ; 4735,1140 4740,1140
NetQ5_1: Q5.1 Q6.1 R24.2 | length 430.7
  Top Layer w10: Q5.1 4560,745 ; R24.2 4565,740 4560,745 ; Q6.1 4735,745 4560,745
NetQ6_2: Q6.2 R23.1 | length 249.2
  Top Layer w10: Q6.2 4918.46,850 R23.1
NetR1_2: R1.2 R4.1 U1.2 | length 1362.5
  Top Layer w10: R1.2 R4.1 855,711.54 855,1088.99 686.46,1257.53 686.46,1472.76 U1.2
NetR2_2: R2.2 R3.2 U1.3 | length 1547.9
  Top Layer w10: U1.3 760.94,1447.24 995,1447.24 ; R3.2 1101.54,1441.39 1095.68,1447.24 995,1447.24 ; R2.2 1000.86,1825 995,1819.14 995,1447.24
NetR5_2: R5.2 R8.1 U2.2 | length 2195.2
  Top Layer w10: R8.1@2239.12,1595 1954.6,1595 1948.74,1600.86 1948.74,1894.14 1945.81,1897.07 1942.88,1900 1805.7,1900 1802.77,1902.93 1799.84,1905.86 1799.84,2556.14 U2.2 2261.54,3017.83 R5.2
NetR6_2: R6.2 R7.2 U2.3 | length 978.5
  Top Layer w10: R6.2 1838.46,2160.08 1825,2173.54 1825,2481.3 U2.3 2259.41,2915.71 2259.41,2932.87 R7.2
NetR21_1: R21.1 R22.2 R23.2 R25.2 | length 1615.8
  Top Layer w10: R21.1 5285,1275 5151.38,1141.38 4965.86,1141.38 4960,1135.52 4960,890 5120,730 5396.54,730 ; R22.2 5395.68,665 5401.54,670.86 5401.54,725 5401.54,730 ; R23.2 5401.54,730 ; R25.2 5510,724.14 5504.14,730 5401.54,730
NetR26_2: R26.2 R28.1 U6.2 | length 829.4
  Top Layer w10: R28.1 2438.46,1335 2438.46,1480 ; R26.2 2438.46,1545 2438.46,1480 ; U6.2 2438.46,1480
NetR27_2: R27.2 R29.2 U6.3 | length 1004
  Top Layer w10: R29.2 2445.96,912.5 2445.96,1117.5 R27.2 2443.46,1263.46 2560,1380 U6.3
NetR33_2: R33.2 U8.3 | length 575.1
  Top Layer w10: U8.3 4469.49,2548.19 4493.19,2548.19 4515,2570 4515,2870 4630,2985 R33.2
NetR36_2: R36.2 R37.1 U10.2 | length 917.4
  Top Layer w10: R36.2 6162.4,2728.35 ; U10.2 6156.54,3121.85 6162.4,3115.99 6162.4,2728.35 ; R37.1 6365.16,2825.79 6267.72,2728.35 6162.4,2728.35
NetR37_2: R37.2 R40.1 U10.6 | length 676.4
  Top Layer w10: U10.6 6518.75,3021.85 ; R37.2 6524.61,3027.71 6518.75,3021.85 ; R40.1 6658.46,3015.99 6652.61,3021.85 6518.75,3021.85
NetR38_2: R38.2 R39.1 U11.2 | length 1008
  Top Layer w10: R38.2 6238.19,2024.61 ; U11.2 6234.3,2433.46 6240.16,2427.61 6240.16,2026.57 6238.19,2024.61 ; R39.1 6388.78,2118.11 6295.28,2024.61 6238.19,2024.61
NetR39_2: R39.2 U11.6 | length 329.8
  Top Layer w10: U11.6 6528.59,2333.46 6534.45,2339.32 R39.2
NetR42_2: R42.2 R43.2 R44.1 U14.2 | length 1234.1
  Top Layer w10: U14.2 6641.93,1753 6647.79,1758.86 7012.8,1758.86 ; R43.2 7012.8,1758.86 ; R42.2 7211.38,1287.17 7045.75,1287.17 7026.81,1306.1 R44.1 7012.8,1310.04 7012.8,1758.86
NetR45_2: R45.2 R46.2 U15.6 | length 583.5
  Top Layer w10: R46.2 6500.49,1033.96 6500.49,1304.63 R45.2 6497.99,1310.08 6497.99,1560.39 U15.6
NetR46_1: R46.1 U16.3 | length 500.3
  Top Layer w10: U16.3 6078.74,764.68 6088.48,754.94 6088.48,751.09 6240.16,599.41 R46.1
NetR47_1: R47.1 U16.2 | length 766.6
  Top Layer w10: U16.2 6224.41,728.35 6670.32,728.35 6676.18,722.49 R47.1
V1: J1.1 Q1.3 Q3.3 R16.1 R26.1 | length 3383.4
  Top Layer w10: R16.1 4093.46,1356.54 4110,1340 Q1.3 4292.65,1342.65 4292.65,1374.69 4298.51,1380.55 4671.49,1380.55 4677.35,1374.69 4677.35,1342.65 Q3.3
  Bottom Layer w10: R26.1 2876.54,1453.46 2891.98,1438.02 3449.14,1438.02 3455,1443.88 3455,1639.14 3460.86,1645 4085,1645 4093.46,1636.54 R16.1 ; J1.1 4628.74,1288.74 Q3.3
V2: J1.2 Q2.3 Q4.3 R17.1 R27.1 | length 3471.8
  Top Layer w10: Q2.3 4492.65,1337.35 4492.65,1305.31 4498.51,1299.45 4819.14,1299.45 4825,1305.31 4825,1334.14 4830.86,1340 Q4.3 4870,1514.14 4875.86,1520 R17.1
  Bottom Layer w10: R27.1 3950,1120 4210.55,1380.55 4481.49,1380.55 4487.35,1374.69 4487.35,1342.65 Q2.3 4490,1305 4530.55,1264.45 4530.55,1081.71 4526.38,1077.53 4526.38,481.51 4550,457.89 J1.2
Vin_1: ADD_IN1.1 R2.1 | length 455.4
  Top Layer w10: ADD_IN1.1 510,1825 R2.1
Vin_2: ADD_IN2.1 R3.1 | length 438
  Top Layer w10: ADD_IN2.1 485,770 R3.1
Vin_3: R5.1 SUB_IN1.1 | length 387.8
  Top Layer w10: SUB_IN1.1 1578.53,3075 1673.53,3170 R5.1
Vin_4: R7.1 SUB_IN2.1 | length 676.4
  Top Layer w10: SUB_IN2.1 1504.02,2439.02 1504.02,2619.02 1825,2940 R7.1
vin_5: GAIN_IN.1 U3.3 | length 819.8
  Top Layer w10: GAIN_IN.1 295,2725 370,2800 U3.3
Vin_6: MUL_IN1.1 R12.1 | length 600
  Top Layer w10: R12.1 3744.14,1775 3750,1780.86 MUL_IN1.1
Vin_7: MUL_IN2.1 R14.1 | length 1656.2
  Top Layer w10: MUL_IN2.1 3745,1684.14 3750.86,1690 5002.21,1690 5008.07,1695.86 R14.1
Vin_8: DIFF_IN.1 R32.1 | length 1297.7
  Top Layer w10: DIFF_IN.1 2651.54,2746.54 2651.54,2495.86 2657.39,2490 3614.14,2490 3620,2495.86 R32.1
Vin_9: INT_IN.1 R34.1 | length 668.8
  Top Layer w10: INT_IN.1 1485,1260 1510,1285 R34.1
Vin_10: MUL_IN_2.1 R38.1 | length 2345
  Bottom Layer w10: R38.1 6502.95,2024.61 6491.14,2012.8 6491.14,1706.21 6239.84,1454.92 6239.84,772.84 6726.27,286.42 MUL_IN_2.1
Vin_11: MUL_IN_1.1 R36.1 | length 3177.7
  Top Layer w10: MUL_IN_1.1 6019.64,318.9 6013.78,324.76 6013.78,2632.41 6019.64,2638.27 6525.64,2638.27 6531.5,2644.13 R36.1
Vo: C4.1 J1.3 U7.3 | length 2579.1
  Top Layer w10: U7.3 2560,510 2565.86,515.86 2565.86,769.14 2571.72,775 C4.1
  Bottom Layer w10: C4.1 3210.79,464.21 3229.21,445.79 J1.3
Vout_ADD: ADD_OUT.1 R4.2 U1.6 | length 1939.5
  Top Layer w10: ADD_OUT.1 328.62,271.38 951.38,271.38 1101.54,421.54 R4.2 1101.54,598.46 1050,650 1050,931.34 1081.54,962.87 1081.54,1402.86 1075.68,1408.72 1037.58,1408.72 U1.6
Vout_DIFF: C5.1 DIFF_OUT.1 R31.2 U8.6 | length 2366.6
  Top Layer w10: DIFF_OUT.1 3245,3017.76 3250.86,3023.62 3795.77,3023.62 ; R31.2 4055,2605 4035.31,2624.69 3811.07,2624.69 3791.38,2644.38 3791.38,2960.59 C5.1 3795.77,3023.62 ; U8.6 4465,3017.76 4459.14,3023.62 3795.77,3023.62
Vout_GAIN_1: GAIN.1 GAIN_OUT.1 U3.6 | length 1483.7
  Top Layer w10: GAIN_OUT.1 295,3290 305.59,3300.59 931.48,3300.59 937.34,3294.73 937.34,3277.66 GAIN.1 955,2815 970,2800 U3.6
Vout_INT: C7.1 INT_OUT.1 R35.2 U9.6 | length 2228.5
  Top Layer w10: INT_OUT.1 1529.02,285.98 1529.02,130.98 1545.59,114.41 1941.81,114.41 1984.41,157.01 1984.41,429.41 2045,490 U9.6 2255,490 2313.62,548.62 2313.62,1062.91 R35.2 2184.96,1101.54 C7.1
Vout_MUL: MUL_GAIN_OUT.1 MUL_OUT.1 U7.6 | length 1721.8
  Top Layer w10: MUL_GAIN_OUT.1 2735,450 ; U7.6 2778.11,506.81 2751.81,506.81 2735,490 2735,450 ; MUL_OUT.1 3725,395.27 3719.14,389.41 2985.59,389.41 2925,450 2735,450
Vout_MUL_1: MUL_OUT2.1 R47.2 U16.6 | length 1051.2
  Top Layer w10: U16.6 6670.32,774.02 6676.18,779.87 R47.2 6876.97,1049.21 7037.4,888.78 MUL_OUT2.1
Vout_SUB: R8.2 SUB_OUT.1 U2.6 | length 2163.7
  Top Layer w10: SUB_OUT.1 1465.45,1745.45 1465.45,1540.86 1471.3,1535 1810,1535 ; R8.2 1813.46,1538.46 1810,1535 ; U2.6 2232.91,2463.39 2232.91,2012.65 2305.16,1940.41 2305.16,1540.86 2299.3,1535 1810,1535
pads on no net: GAIN.3 MUL_GAIN1.3 MUL_GAIN2.3 MUL_GAIN_OUT.3 R41.1 U1.8 U2.8 U3.8 U4.8 U5.8 U6.8 U7.8 U8.8 U9.8 U10.1 U10.5 U10.8 U11.1 U11.5 U11.8 U12.1 U12.5 U12.8 U13.1 U13.5 U13.8 U14.1 U14.5 U14.8 U15.1 U15.5 U15.8 U16.1 U16.5 U16.8

## Polygon pours and split planes (outlines as drawn)
GND on Bottom Layer "GND_L02_P004" (solid, pour order 4): 33.46,3458.28 3.88,3428.76 3.88,42.18 32.94,13.13 7318.76,13.13 7319.86,13.56 7340.26,33.97 7345.57,3429.23 7316.54,3458.27 7308.07,3460.67
-12 on Top Layer "-12_L01_P003" (solid, pour order 3): 49.25,12.97 12.02,50.2 12.35,50.2 12.35,3417.33 7.87,3412.4 5.8,3412.4 49.19,3455.79 7312.03,3460.71 7314.88,3460.71 7343.01,3432.09 7343.01,38.39 7310.04,5.41 7310.04,4.46

## Silkscreen, mask and mechanical layers (free items; w line width, h text height)
Top Overlay:
  lines w10: 55,2030 cw(c55,2080) 5,2080 5,3410 cw(c55,3410) 55,3460 1130,3460 cw(c1130,3410) 1180,3410 1180,2080 cw(c1130,2080) 1130,2030 ; 55,2030 ccw(c55,1980) 5,1980 5,60 ccw(c55,60) 55,10 1130,10 ccw(c1130,60) 1180,60 ; 55,2030 1130,2030 ; 55,2030 1130,2030 ; 1130,2030 cw(c1130,1980) 1180,1980 1180,60 ; 1180,60 ccw(c1230,60) 1230,10 2305,10 ccw(c2305,60) 2355,60 2355,1415 ccw(c2305,1415) 2305,1465 ; 1180,60 1180,1415 cw(c1230,1415) 1230,1465 ; 1230,1465 cw(c1230,1515) 1180,1515 1180,3405 cw(c1230,3405) 1230,3455 2305,3455 cw(c2305,3405) 2355,3405 2355,1515 cw(c2305,1515) 2305,1465 ; 1230,1465 2305,1465 ; 1230,1465 2305,1465 ; 2355,2480 ccw(c2405,2480) 2405,2430 4920,2430 ccw(c4920,2480) 4970,2480 4970,3095 ccw(c4920,3095) 4920,3145 2405,3145 ccw(c2405,3095) 2355,3095 2355,2480 ; 2360,60 ccw(c2410,60) 2410,10 5940,10 ccw(c5940,60) 5990,60 5990,2375 ccw(c5940,2375) 5940,2425 2410,2425 ccw(c2410,2375) 2360,2375 2360,60 ; 5995.08,57.87 ccw(c6045.08,57.87) 6045.08,7.87 7295.47,7.87 ccw(c7295.47,57.87) 7345.47,57.87 7345.47,3411.61 ccw(c7295.47,3411.61) 7295.47,3461.61 6045.08,3461.61 ccw(c6045.08,3411.61) 5995.08,3411.61 5995.08,57.87
  text "Hypertronics" at 3145,3259.99 h150
Mechanical 1:
  lines w10: -4.72,49.02 ccw(c45.28,49.02) 45.28,-0.98 7303.54,-0.98 ccw(c7303.54,49.02) 7353.54,49.02 7353.54,3419.49 ccw(c7303.54,3419.49) 7303.54,3469.49 45.28,3469.49 ccw(c45.28,3419.49) -4.72,3419.49 -4.72,49.02